# Altium PCB cyberlamp.PcbDoc (part 2 of 2) (continued)
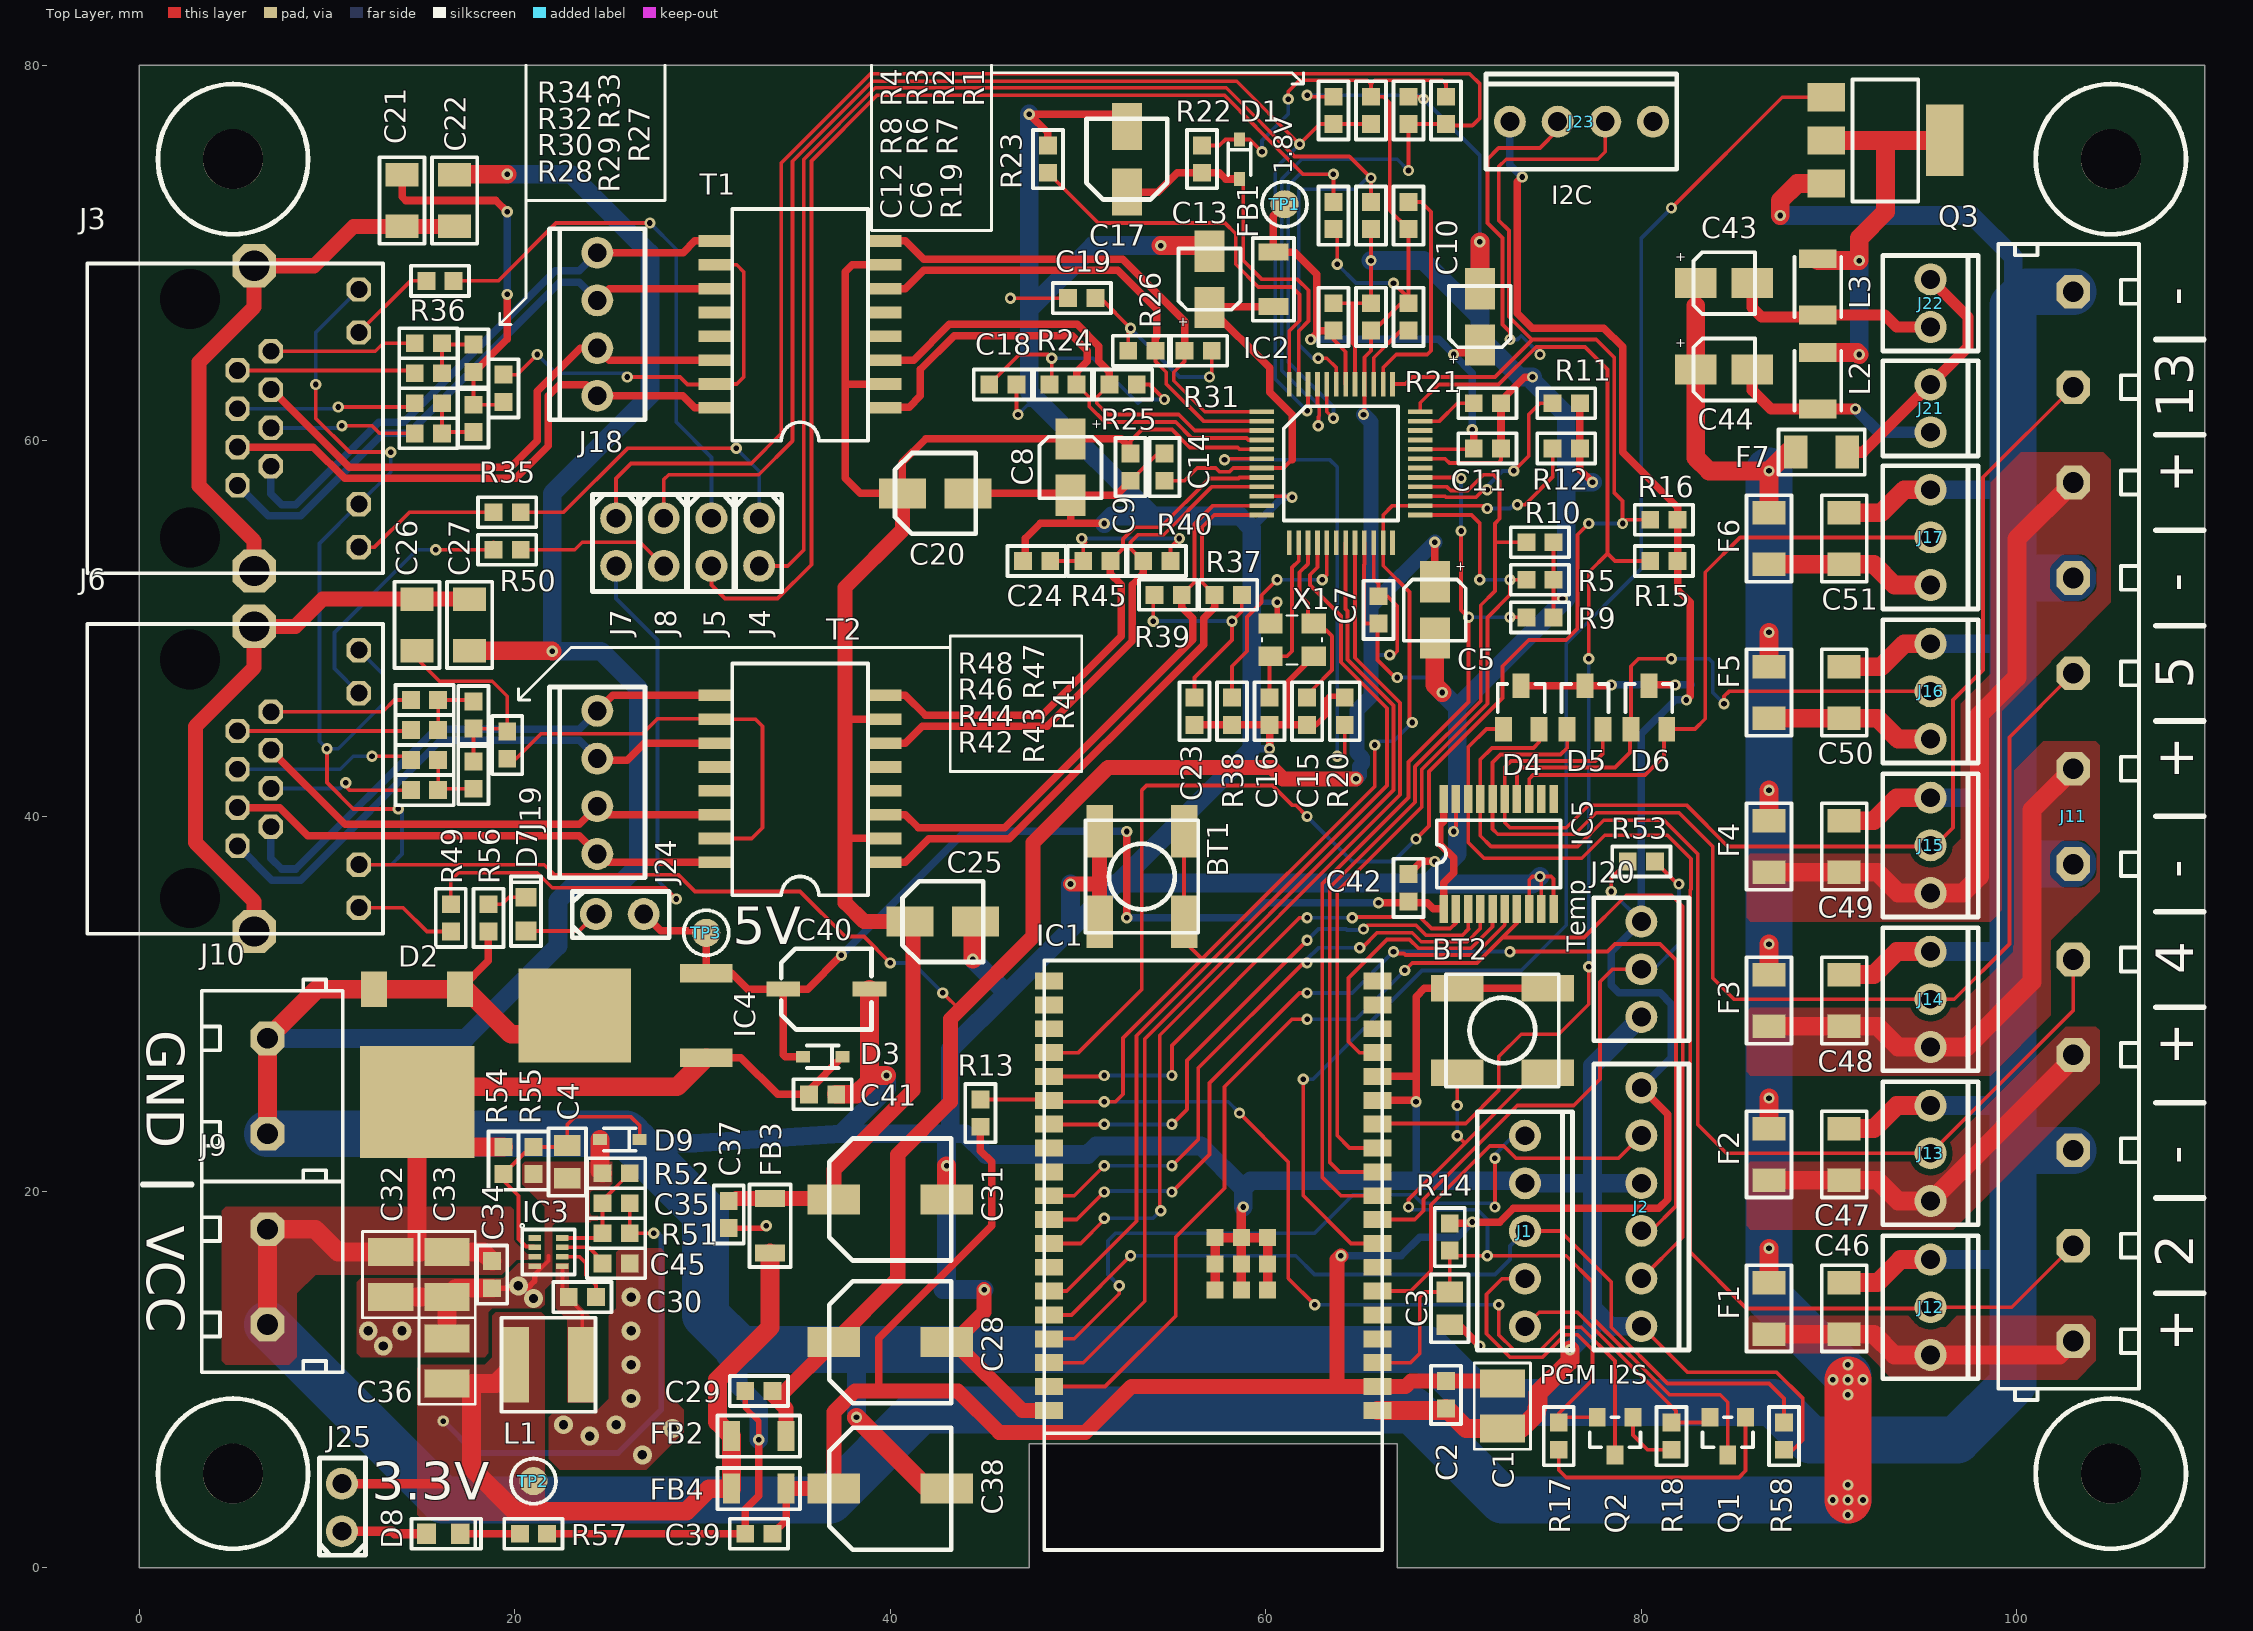
[diagram p0: Top Layer view]
## Nets (pads, with @x,y where several pads share a name; then routed paths per layer and width w, separated by ;. In a path a pad name is that pad's centre, name@x,y a point inside that pad or via, vN(x,y) a via of type N, cw(c..) or ccw(c..) an arc to the next point about the centre after c; other vN are vias at no path point) (continued)
NetIC1_24: IC1.24 IC5.2 | length 27.3
  Top Layer w0.2: IC1.24@48.45,26.15 51.35,26.15 v1(51.4,26.2) ; v1(55,26.2) 55,27.8 61.8,34.6 v1(62.2,34.6) ; v1(64.6,34.6) 64.65,34.65 68.2,34.65 68.825,34.025 69.824,34.025 70.125,34.326 IC5.2@70.125,35.075
  Bottom Layer w0.2: v1(51.4,26.2) v1(55,26.2) ; v1(62.2,34.6) v1(64.6,34.6)
NetIC1_26: IC1.26 IC5.3 | length 29.7
  Top Layer w0.2: IC1.26@48.45,23.61 48.46,23.6 v1(51.4,23.6) ; v1(55,23.6) 55.8,24.4 55.8,27 v1(62.2,33.4) ; v1(65.2,34) 65.4,34.2 68,34.2 68.525,33.675 70.475,33.675 70.8,34 70.775,34.025 IC5.3@70.775,35.075
  Bottom Layer w0.2: v1(51.4,23.6) v1(55,23.6) ; v1(62.2,33.4) 62.8,34 64.281,34 64.331,33.95 65.15,33.95 v1(65.2,34)
NetIC1_29: IC1.29 IC5.4 | length 32.7
  Top Layer w0.2: IC1.29@48.45,19.8 49.8,19.8 v1(51.4,21.4) ; v1(55,21.4) 56.4,22.8 56.4,26.6 62,32.2 v1(62.2,32.2) ; v1(65,33) 65.119,33 65.919,33.8 67.8,33.8 68.275,33.325 70.725,33.325 71.425,34.025 IC5.4@71.425,35.075 IC5.4@71.4,35.05
  Bottom Layer w0.2: v1(51.4,21.4) v1(55,21.4) ; v1(62.2,32.2) 62.2,32.4 62.8,33 v1(65,33)
NetIC1_30: IC1.30 IC5.6 J2.4 | length 65.1
  Top Layer w0.2: IC1.30@48.45,18.53 49.93,18.53 v1(51.4,20) ; v1(55,20) 57,22 57,25.8 61.8,30.6 v1(62.2,30.6) ; v1(66.8,32.8) 66.9,32.7 67.353,32.7 67.428,32.625 71.125,32.625 72.725,34.225 IC5.6@72.725,35.075 ; v1(73,32.8) 78.2,32.8 78.6,33.2 81,33.2 81.85,32.35 81.85,19.25 80.53,17.93 J2.4@80,17.93
  Bottom Layer w0.2: v1(51.4,20) 51.45,20.05 54.95,20.05 v1(55,20) ; v1(62.2,30.6) 64.6,30.6 v1(66.8,32.8) v1(73,32.8)
NetIC1_31: IC1.31 IC2.20 | length 48.6
  Top Layer w0.2: IC1.31@48.45,17.26 50.14,17.26 51.4,18.52 v1(51.4,18.6) ; v1(54.4,19) 54.35,19.05 54.35,28.35 67.15,41.15 67.15,46.05 64.75,48.45 IC2.20@64.75,54.575
  Bottom Layer w0.2: v1(51.4,18.6) 54,18.6 v1(54.4,19)
NetIC1_33: IC1.33 IC2.16 | length 49.7
  Top Layer w0.2: IC1.33@48.45,14.72 49.4,14.72 53.12,18.44 53.12,28.32 66.45,41.65 66.45,45.76 64,48.21 64,50.681 62.35,52.331 62.35,52.869 62.75,53.269 IC2.16@62.75,54.575
NetIC1_34: IC1.34 J1.3 R58.2 | length 48.6
  Top Layer w0.2: IC1.34@48.45,13.45 49.65,13.45 v1(52.8,16.6) ; J1.3@73.8,17.92 75.68,17.92 78.4,15.2 78.4,12.8 81.4,9.8 86.8,9.8 87.6,9 R58.2@87.6,7.725
  Bottom Layer w0.2: v1(52.8,16.6) 61.6,16.6 62.6,15.6 72.2,15.6 73,16.4 73,17.12 J1.3@73.8,17.92
NetIC1_35: IC1.35 J1.1 | length 34.6
  Top Layer w0.2: IC1.35@48.45,12.18 49.8,12.18 52.2,14.58 v1(52.2,15) ; v1(72.2,19.2) v1(72.2,21.8)
  Bottom Layer w0.2: v1(52.2,15) 51.6,15.6 51.6,17.4 52,17.8 62.6,17.8 64.65,19.85 67.869,19.85 68.319,19.4 72.2,19.4 v1(72.2,19.2) ; v1(72.2,21.8) 72.2,22 73.2,23 J1.1@73.8,23
NetIC1_36: IC1.36 IC2.19 | length 53.4
  Top Layer w0.2: IC1.36@48.45,10.91 50.28,10.91 53.55,14.18 53.55,28.15 66.8,41.4 66.8,45.905 64.35,48.355 64.35,50.945 64.25,51.045 IC2.19@64.25,54.575
NetIC1_37: IC1.37 IC5.7 J2.5 | length 73.1
  Top Layer w0.2: IC1.37@48.45,9.64 51.44,9.64 55.2,13.4 55.2,17.6 57.8,20.2 57.8,25.6 61.4,29.2 v1(62.2,29.2) ; v1(67.4,31.8) 67.8,32.2 71.25,32.2 72.6,33.55 ; IC5.7@73.4,35.05 IC5.7@73.375,35.075 73.375,34.325 72.6,33.55 ; J2.5@80,15.39 82.2,17.59 82.2,35.2 81.6,35.8 79.2,35.8 76.95,33.55 72.6,33.55
  Bottom Layer w0.2: v1(62.2,29.2) 64.8,29.2 v1(67.4,31.8)
NetIC2_6: IC2.6 R20.2 | length 25.6
  Top Layer w0.2: v1(57.8,59) 57.85,59.05 IC2.6@59.775,59.05 ; v1(63.8,43.2) 64.2,43.2 R20.2@64.2,44.875
  Bottom Layer w0.2: v1(57.8,59) 63.4,59 63.8,58.6 v1(63.8,43.2)
NetIC2_35: IC2.35 R21.2 | length 3.2
  Top Layer w0.2: IC2.35@68.225,61.05 69.25,61.05 70.2,62 R21.2@71.075,62
NetIC2_39: IC2.39 R19.2 | length 3.5
  Top Layer w0.2: IC2.39@65.75,63.025 65.75,64.425 R19.2@67.2,65.875
NetIC2_48: IC2.48 R23.1 | length 22
  Top Layer w0.2: R23.1@48.4,74.275 51.075,71.6 57.824,71.6 58.4,71.024 58.4,69.4 59.6,68.2 61.4,68.2 61.8,67.8 61.8,66.4 61.25,65.85 IC2.48@61.25,63.025
NetJ3_4: J3.4 R28.2 | length 7.9
  Top Layer w0.2: v1(10.8,60.8) 12.4,60.8 12.8,60.4 R28.2@14.675,60.4
  Bottom Layer w0.2: J3.4@7.02,60.69 10.69,60.69 v1(10.8,60.8)
NetJ3_5: J3.5 R30.2 | length 9.6
  Top Layer w0.2: v1(10.6,61.8) 14.475,61.8 R30.2@14.675,62
  Bottom Layer w0.2: J3.5@5.24,61.71 10.51,61.71 v1(10.6,61.8)
NetJ3_7: J3.7 R32.2 | length 9.5
  Top Layer w0.2: J3.7@5.24,63.75 14.525,63.75 R32.2@14.675,63.6
NetJ3_8: J3.8 R34.2 | length 7.8
  Top Layer w0.2: J3.8@7.02,64.77 12.57,64.77 13,65.2 R34.2@14.675,65.2
NetJ3_9: J3.9 R35.2 | length 7.9
  Top Layer w0.2: J3.9@11.7,54.34 12.54,54.34 14.4,56.2 R35.2@18.875,56.2
NetJ3_11: J3.11 R36.2 | length 4.7
  Top Layer w0.2: J3.11@11.7,65.77 14.45,68.52 R36.2@15.297,68.52
NetJ4_1: J4.1 R35.1 | length 17.1
  Top Layer w0.2: R35.1@20.325,56.2 22.6,56.2 26,59.6 v1(31.8,59.6)
  Bottom Layer w0.2: v1(31.8,59.6) 33.02,58.38 J4.1@33.02,55.88
NetJ5_1: J5.1 R36.1 | length 28.8
  Top Layer w0.2: R36.1@16.747,68.52 19.12,68.52 22.2,71.6 v1(27.2,71.6)
  Bottom Layer w0.2: v1(27.2,71.6) 28.6,70.2 28.6,61 30.48,59.12 J5.1@30.48,55.88
NetJ6_4: J6.4 R42.2 | length 7.9
  Top Layer w0.2: v1(11,41.8) 11,41.6 11.2,41.4 R42.2@14.475,41.4
  Bottom Layer w0.2: J6.4@7.02,41.49 10.69,41.49 v1(11,41.8)
NetJ6_5: J6.5 R44.2 | length 9.6
  Top Layer w0.2: v1(12.4,43.2) 14.275,43.2 R44.2@14.475,43
  Bottom Layer w0.2: J6.5@5.24,42.51 10.71,42.51 11.4,43.2 v1(12.4,43.2)
NetJ6_7: J6.7 R46.2 | length 9.3
  Top Layer w0.2: J6.7@5.24,44.55 14.425,44.55 R46.2@14.475,44.6
NetJ6_8: J6.8 R48.2 | length 7.7
  Top Layer w0.2: J6.8@7.02,45.57 12.97,45.57 13.6,46.2 R48.2@14.475,46.2
NetJ6_9: J6.9 R49.2 | length 5.4
  Top Layer w0.2: J6.9@11.7,35.14 14.06,35.14 15.325,33.875 R49.2@16.6,33.875
NetJ6_11: J6.11 R50.2 | length 14.2
  Top Layer w0.2: v1(15.8,54.2) 18.475,54.2 R50.2@18.875,54.6
  Bottom Layer w0.2: J6.11@11.7,46.57 10.4,47.87 10.4,49.8 14.8,54.2 v1(15.8,54.2)
NetJ7_2: J7.2 R49.1 | length 33.1
  Top Layer w0.2: R49.1@16.6,35.325 16.6,36.6 17,37 21.2,37 22,36.2 28,36.2 v1(28.6,35.6)
  Bottom Layer w0.2: J7.2@25.4,53.34 25.4,51.6 27.6,49.4 27.6,36.6 v1(28.6,35.6)
NetJ8_2: J8.2 R50.1 | length 8.3
  Top Layer w0.2: R50.1@20.325,54.2 23.2,54.2 23.6,54.6 26.68,54.6 J8.2@27.94,53.34
NetL2_1: L2.1 L3.1 Q3.2 | length 22.7
  Top Layer w1: L2.1@89.4,64.702 91.498,64.702 v1(91.6,64.6) ; L3.1@89.4,69.6 v1(91.6,69.6) 91.6,70.8 93,72.2 93,76 ; Q3.2@89.85,76 93,76 ; Q3.2@96.15,76 93,76
  Bottom Layer w1: v1(91.6,64.6) v1(91.6,69.6)
NetQ1_1: Q1.1 R17.1 | length 14.2
  Top Layer w0.2: R17.1@75.6,6.275 75.6,5.2 76,4.8 85.2,4.8 85.55,5.15 Q1.1@85.55,8
NetQ2_1: Q2.1 R18.1 | length 3.3
  Top Layer w0.2: Q2.1@79.55,8 79.55,7.05 80.325,6.275 R18.1@81.6,6.275
NetR27_1: R27.1 T1.10 T1.15 | length 21.7
  Top Layer w0.2: R27.1@19.4,63.525 20.125,63.525 v1(21.2,64.6) ; v1(26,63.4) 28.8,63.4 29.2,63 30.665,63 T1.15@30.69,63.025 31.825,63.025 32.2,63.4 32.2,69 31.825,69.375 T1.10@30.69,69.375
  Bottom Layer w0.2: v1(21.2,64.6) 22.2,63.6 26,63.6 26.2,63.4 v1(26,63.4)
NetR28_1: R28.1 R29.2 R30.1 | length 3.3
  Top Layer w0.2: R30.1@16.125,62 R28.1@16.125,60.4 16.2,60.475 R29.2@17.8,60.475
NetR32_1: R32.1 R33.2 R34.1 | length 3.3
  Top Layer w0.2: R32.1@16.125,63.6 R34.1@16.125,65.2 16.2,65.125 R33.2@17.8,65.125
NetR41_1: R41.1 T2.10 T2.15 | length 22.8
  Top Layer w0.2: R41.1@19.6,43.075 20.075,43.075 21.4,44.4 26.8,44.4 27.6,45.2 30.665,45.2 T2.10@30.69,45.175 32.825,45.175 33.2,44.8 33.2,39.4 32.625,38.825 T2.15@30.69,38.825
NetR42_1: R42.1 R43.2 R44.1 | length 3.5
  Top Layer w0.2: R44.1@15.925,43 R42.1@15.925,41.4 16,41.475 R43.2@17.8,41.475
NetR46_1: R46.1 R47.2 R48.1 | length 3.5
  Top Layer w0.2: R46.1@15.925,44.6 R48.1@15.925,46.2 17.725,46.2 R47.2@17.8,46.125
P1LED0: IC2.44 J5.2 R8.2 | length 79.4
  Top Layer w0.2: J5.2@30.48,53.34 30.48,52.32 31.2,51.6 34,51.6 35.8,53.4 35.8,74.905 39.295,78.4 57.8,78.4 59.456,76.744 59.456,76.73 61.986,74.2 v1(63.6,74.2) R8.2@63.6,72.725 ; IC2.44@63.25,63.025 63.25,61.55 v1(63.6,61.2)
  Bottom Layer w0.2: v1(63.6,61.2) 63.6,61.8 61.2,64.2 61.2,73.6 61.8,74.2 v1(63.6,74.2)
P1LED1: IC2.43 J4.2 R6.2 | length 74.3
  Top Layer w0.2: J4.2@33.02,53.34 34.54,53.34 35.4,54.2 35.4,75 39.2,78.8 57.895,78.8 59.806,76.889 59.806,76.875 61.531,75.15 64.45,75.15 v1(65.6,74) R6.2@65.6,72.725 ; v1(62.8,64.4) 63.25,64.4 63.75,63.9 IC2.43@63.75,63.025
  Bottom Layer w0.2: v1(62.8,64.4) 62.481,64.4 61.75,65.131 61.75,73.35 61.8,73.4 64.8,73.4 65.4,74 v1(65.6,74)
P2LED0: IC2.46 J8.1 R3.1 R4.2 | length 76
  Top Layer w0.2: J8.1@27.94,55.88 27.94,57.94 28.2,58.2 33,58.2 34.8,60 34.8,74.895 39.055,79.15 58.45,79.15 v1(61.8,75.8) 62.875,76.875 R3.1@65.6,76.875 ; v1(62.2,61.6) 62.25,61.65 IC2.46@62.25,63.025
  Bottom Layer w0.2: v1(61.8,75.8) 60.5,74.5 60.5,63.3 v1(62.2,61.6)
P2LED1: IC2.45 J7.1 R1.1 R2.2 | length 97.8
  Top Layer w0.2: J7.1@25.4,55.88 25.4,58 26.2,58.8 32.6,58.8 34.2,60.4 34.2,74.8 38.95,79.55 70.85,79.55 71.4,79 71.4,77.2 71,76.8 69.675,76.8 R1.1@69.6,76.875 R2.2@67.6,76.875 v1(67.6,74.4) ; IC2.45@62.75,63.025 62.75,61.969 62.85,61.869 62.85,61.331 62.8,61.281 v1(62.8,60.8)
  Bottom Layer w0.2: v1(62.8,60.8) 62.85,60.85 62.85,61.869 62.319,62.4 62.2,62.4 60.85,63.75 60.85,73.938 61.912,75 67,75 v1(67.6,74.4)
RTS: J1.5 Q1.2 R18.2 | length 13.3
  Top Layer w0.2: J1.5@73.8,12.84 74.56,13.6 76.6,13.6 81.85,8.35 R18.2@81.85,7.8 ; R18.2@81.6,7.725 83.375,7.725 Q1.2@83.65,8
RX1_N: IC2.1 R31.2 T1.8 | length 26.5
  Top Layer w0.2: R31.2@55.675,64.8 55.675,64.225 55.1,63.65 55.1,63.2 56.75,61.55 IC2.1@59.775,61.55
  Top Layer w0.4: T1.8@39.71,70.645 40.81,70.645 41.78,69.675 52.374,69.675 55.675,66.374 R31.2@55.675,64.8
RX1_P: IC2.2 R26.2 T1.6 | length 25.9
  Top Layer w0.2: R26.2@54.125,64.8 54.125,64.225 54.7,63.65 54.7,63.034 56.684,61.05 IC2.2@59.775,61.05
  Top Layer w0.4: T1.6@39.71,68.105 40.81,68.105 41.78,69.075 52.125,69.075 54.2,67 54.2,65.55 54.125,65.475 R26.2@54.125,64.8
RX2_N: IC2.8 R45.2 T2.8 | length 29.2
  Top Layer w0.2: R45.2@51.725,53.6 52.4,54.275 52.4,54.766 53.034,55.4 54.4,55.4 57,58 58.55,58 58.6,58.05 IC2.8@59.775,58.05
  Top Layer w0.4: T2.8@39.71,46.445 40.81,46.445 41.855,45.4 48.1,45.4 52.3,49.6 52.3,52.35 51.725,52.925 R45.2@51.725,53.6
RX2_P: IC2.9 R40.2 T2.6 | length 29.4
  Top Layer w0.2: R40.2@53.475,53.6 52.8,54.275 52.8,54.6 53.2,55 54.566,55 57.116,57.55 IC2.9@59.775,57.55
  Top Layer w0.4: T2.6@39.71,43.905 40.81,43.905 41.705,44.8 48.349,44.8 52.9,49.351 52.9,52.35 53.475,52.925 R40.2@53.475,53.6
SCL: IC1.13 IC2.36 J23.2 R15.1 | length 81.2
  Top Layer w0.2: IC1.13@65.95,23.61 65.99,23.65 70.65,23.65 72.4,25.4 72.4,27.2 73.6,28.4 75.6,28.4 77.2,30 v1(77.2,32) ; IC2.36@68.225,61.55 68.225,62.025 69.2,63 72.4,63 74.4,65 74.6,65 ; v1(73,65.4) 73,65.8 72.6,66.2 72.6,70.8 71.8,71.6 71.8,75 72.4,75.6 74.6,75.6 75.54,76.54 J23.2@75.54,77 ; v1(74.6,64.6) 74.6,65 ; v1(77.2,48.4) 77.2,53 78.2,54 ; R15.1@80.475,53.6 78.6,53.6 78.2,54 ; 74.6,65 77,65 78.2,63.8 78.2,54
  Bottom Layer w0.2: v1(73,65.4) 73.4,65.4 73.6,65.6 v1(74.6,64.6) ; v1(77.2,32) v1(77.2,48.4)
SDA: IC1.23 IC2.37 J23.3 R16.1 | length 98.8
  Top Layer w0.2: IC1.23@48.45,27.42 50.02,27.42 53.4,30.8 53.4,41.4 53.65,41.65 60.35,41.65 61.4,40.6 61.6,40.6 v1(62.2,40) ; IC2.37@66.75,63.025 67.425,63.025 67.8,63.4 72.2,63.4 74.2,65.4 ; v1(68,38.8) 68.695,39.495 68.695,42.4 72.6,46.305 72.6,48 74,49.4 76,49.4 76.6,50 76.6,55 v1(77.2,55.6) ; J23.3@78.08,77 78.08,75.4 77.68,75 72.8,75 72.4,74.6 72.4,71.75 72.95,71.2 72.95,66.614 74.164,65.4 74.2,65.4 ; R16.1@80.475,55.8 79.2,55.8 v1(79,55.6) 79,56.8 78.55,57.25 78.55,64.45 77.6,65.4 74.2,65.4
  Bottom Layer w0.2: v1(62.2,40) 64.6,37.6 66.8,37.6 v1(68,38.8) ; v1(77.2,55.6) v1(79,55.6)
SMRXD30: IC1.10 IC2.29 R9.2 | length 49.2
  Top Layer w0.2: IC1.10@65.95,19.8 64,19.8 63,20.8 63,36.4 67.6,41 67.6,42.895 70.8,46.095 v1(70.8,50.6) 70.4,51 v1(70.4,55.2) ; IC2.29@68.225,58.05 70.35,58.05 v1(70.4,58) ; v1(73,50.6) R9.2@73.875,50.6
  Bottom Layer w0.2: v1(70.4,55.2) v1(70.4,58) ; v1(70.8,50.6) v1(73,50.6)
SMRXD31: IC1.11 IC2.28 R10.2 | length 49.3
  Top Layer w0.2: IC1.11@65.95,21.07 63.93,21.07 63.4,21.6 63.4,36.2 67.95,40.75 67.95,42.651 71.45,46.151 71.45,51.25 72.2,52 72.2,54.6 ; IC2.28@68.225,57.55 69.65,57.55 69.85,57.35 70.75,57.35 71.131,57.731 71.6,58.2 72.119,58.2 72.45,57.869 72.45,55.85 72.2,55.6 72.2,54.6 ; R10.2@73.875,54.6 72.2,54.6
SMRXD32: IC2.27 R11.2 | length 10.8
  Top Layer w0.2: IC2.27@68.225,57.05 69.55,57.05 69.6,57 71.2,57 v1@71.8,57.6 ; v1(71.8,57.4) v1@71.8,57.6 ; v1(73.2,58.4) 74,59.2 74,61.4 74.6,62 R11.2@75.275,62
  Bottom Layer w0.2: v1(71.8,57.4) 71.8,57.6 72.6,58.4 v1(73.2,58.4)
SMRXD33: BT1.1 BT1.2 IC1.25 IC2.23 IC2.26 Q2.3 R12.2 R13.1 | length 108.6
  Top Layer w0.2: R13.1@44.8,24.925 48.405,24.925 IC1.25@48.45,24.88 48.53,24.8 v1(51.4,24.8) 52,24.8 52.4,25.2 52.4,28.2 56.6,32.4 ; BT1.2@55.65,39.208 BT1.1@55.65,34.393 55.65,33.35 56.6,32.4 ; v1(58.6,24.2) 61.2,21.6 61.2,15.4 v1(62.6,14) ; v1(65.8,43.8) 65.8,41.6 56.6,32.4 ; v1@67.65,45 67.65,51.95 66.25,53.35 IC2.23@66.25,54.575 66.25,56.05 66.75,56.55 IC2.26@68.225,56.55 71.65,56.55 v1(71.8,56.4) ; v1(72.4,14) 72.4,12.4 73.2,11.6 74.644,11.6 75.844,12.8 76.8,12.8 78.6,11 Q2.3@78.6,6 ; v1@73.4,56.8 v1(73.4,56.6) 73.8,56.6 75.275,58.075 R12.2@75.275,59.6
  Bottom Layer w0.2: v1(51.4,24.8) 58,24.8 v1(58.6,24.2) ; v1(62.6,14) v1(72.4,14) ; v1(65.8,43.8) 66,44 66.8,44 v1(67.8,45) ; v1(71.8,56.4) 73,56.4 73.3,56.7 v1(73.4,56.6)
SMRXDV3: IC1.12 IC2.25 R5.2 | length 44.7
  Top Layer w0.2: IC1.12@65.95,22.34 64.46,22.34 63.8,23 63.8,36 68.3,40.5 68.3,42.5 71.8,46 71.8,50.6 73,51.8 v1(73,52.6) R5.2@73.875,52.6 ; IC2.25@68.225,56.05 70.95,56.05 71.4,55.6 v1(71.4,52.6) v1@71.45,52.55
  Bottom Layer w0.2: v1(71.4,52.6) v1(73,52.6)
SMTXD33: IC2.17 R38.1 | length 11.7
  Top Layer w0.2: R38.1@58.2,46.325 58.2,48 59,48.8 59,50.624 59.776,51.4 59.776,51.776 v1(60.6,52.6) ; v1(63,52.6) 63.25,52.85 IC2.17@63.25,54.575
  Bottom Layer w0.2: v1(60.6,52.6) v1(63,52.6)
SPIQ: IC2.38 R7.2 | length 12.6
  Top Layer w0.2: IC2.38@66.25,63.025 66.25,63.9 66.95,64.6 68.6,64.6 68.8,64.8 68.8,72.2 68.275,72.725 R7.2@67.6,72.725
T_RX1_N: J3.2 J18.4 T1.9 | length 31.2
  Top Layer w0.4: J18.4@24.4,70.02 28.965,70.02 29.59,70.645 T1.9@30.69,70.645
  Bottom Layer w0.4: J3.2@7.02,58.65 7.02,57.18 7.6,56.6 8.351,56.6 12.751,61 14.101,61 22.151,69.05 23.43,69.05 J18.4@24.4,70.02
T_RX1_P: J3.1 J18.3 T1.11 | length 31.9
  Top Layer w0.4: J18.3@24.4,67.48 25.025,68.105 T1.11@30.69,68.105
  Bottom Layer w0.4: J3.1@5.24,57.63 6.87,56 8.6,56 13,60.4 14.35,60.4 22.4,68.45 23.43,68.45 J18.3@24.4,67.48
T_RX2_N: J6.2 J19.4 T2.9 | length 29.4
  Top Layer w0.4: J19.4@24.4,45.62 25.225,46.445 T2.9@30.69,46.445
  Bottom Layer w0.4: J6.2@7.02,39.45 7.02,37.78 7.6,37.2 8.351,37.2 15.801,44.65 23.43,44.65 J19.4@24.4,45.62
T_RX2_P: J6.1 J19.3 T2.11 | length 30.1
  Top Layer w0.4: J19.3@24.4,43.08 24.48,43 26,43 26.905,43.905 T2.11@30.69,43.905
  Bottom Layer w0.4: J6.1@5.24,38.43 7.07,36.6 8.6,36.6 16.05,44.05 23.43,44.05 J19.3@24.4,43.08
T_TX1_N: J3.6 J18.2 T1.14 | length 29.8
  Top Layer w0.4: J3.6@7.02,62.73 7.07,62.73 11.2,58.6 19.8,58.6 21.2,60 21.2,62.649 23.491,64.94 J18.2@24.4,64.94 25.045,64.295 T1.14@30.69,64.295
T_TX1_P: J3.3 J18.1 T1.16 | length 30.3
  Top Layer w0.4: J3.3@5.24,59.67 9.281,59.67 10.951,58 20.049,58 21.8,59.751 21.8,62.4 22.4,63 23.8,63 J18.1@24.4,62.4 28.945,62.4 29.59,61.755 T1.16@30.69,61.755
T_TX2_N: J6.6 J19.2 T2.14 | length 25.9
  Top Layer w0.4: J6.6@7.02,43.53 10.98,39.57 23.43,39.57 J19.2@24.4,40.54 24.845,40.095 T2.14@30.69,40.095
T_TX2_P: J6.3 J19.1 T2.16 | length 26.7
  Top Layer w0.4: J6.3@5.24,40.47 7.18,40.47 7.2,40.45 7.49,40.45 8.97,38.97 23.43,38.97 J19.1@24.4,38 24.845,37.555 T2.16@30.69,37.555
TX1_N: IC2.3 R25.2 T1.3 | length 25.6
  Top Layer w0.2: R25.2@51.675,63 51,62.325 51,62 51.6,61.4 55.366,61.4 56.216,60.55 59.025,60.55 IC2.3@59.775,60.55
  Top Layer w0.4: T1.3@39.71,64.295 41.246,64.295 43.151,66.2 49.949,66.2 51.1,65.049 51.1,64.25 51.675,63.675 R25.2@51.675,63
TX1_P: IC2.4 R24.2 T1.1 | length 26.6
  Top Layer w0.2: R24.2@49.925,63 50.6,62.325 50.6,61.834 51.434,61 55.2,61 56.05,60.15 58.971,60.15 59.071,60.05 IC2.4@59.775,60.05
  Top Layer w0.4: T1.1@40.065,61.8 41,61.8 41.6,62.4 41.6,63.8 43.4,65.6 49.7,65.6 50.5,64.8 50.5,64.25 49.925,63.675 R24.2@49.925,63
TX2_N: IC2.11 R39.2 T2.3 | length 31.5
  Top Layer w0.2: R39.2@55.525,51.8 56.2,52.475 56.2,55.566 57.184,56.55 IC2.11@59.775,56.55
  Top Layer w0.4: T2.3@39.71,40.095 40.81,40.095 41.505,39.4 46.1,39.4 56.1,49.4 56.1,50.55 55.525,51.125 R39.2@55.525,51.8
TX2_P: IC2.12 R37.2 T2.1 | length 32
  Top Layer w0.2: R37.2@57.275,51.8 56.6,52.475 56.6,55.4 57.25,56.05 IC2.12@59.775,56.05
  Top Layer w0.4: T2.1@39.71,37.555 40.81,37.555 42.055,38.8 46.349,38.8 56.7,49.151 56.7,50.55 57.275,51.125 R37.2@57.275,51.8
VCC: C32.1 C33.1 C34.1 C41.2 C43.+ C44.+ D2.1 D3.1 F1.2 F2.2 F3.2 F4.2 F5.2 F6.2 F7.2 IC3.3 IC4.1 J9.1 J9.2 R54.2 | length 228.8
  Top Layer w0.4: IC4.1@30.2,27.15 32.05,27.15 34,25.2 C41.2@35.675,25.2 35.675,25.42 D3.1@37.455,27.2
  Top Layer w1: J9.2@6.84,12.94 J9.1@6.84,18.02 9.38,18.02 10.6,16.8 15,16.8 14.8,17 D2.1@14.8,24.8 ; C33.1@16.4,16.8 18.325,16.8 C34.1@18.8,16.325 ; R54.2@19.4,22.4 17.2,22.4 D2.1@14.8,24.8 ; IC4.1@30.2,27.15 28.65,25.6 15.6,25.6 D2.1@14.8,24.8 ; 82.9,67.2 82.9,59.1 83.6,58.4 v1(86.8,58.4) ; F1.2@86.8,15.175 v1(86.8,17) ; F2.2@86.8,23.375 v1(86.8,25) ; F3.2@86.8,31.575 v1(86.8,33.2) ; F4.2@86.8,39.775 v1(86.8,41.4) ; F5.2@86.8,47.975 v1(86.8,49.8) ; F6.2@86.8,56.175 v1(86.8,58.4) ; F7.2@88.225,59.4 87.8,59.4 v1(86.8,58.4)
  Top Layer w2.5: v1(91,3.6) v1(91,10)
  Bottom Layer w2.5: J9.2@6.84,12.94 16.18,3.6 36.8,3.6 41.6,8.4 67.8,8.4 72.6,3.6 v1(90.2,3.6) v1(91,3.6) ; v1(86.8,58.4) v1(86.8,49.8) v1(86.8,41.4) v1(86.8,33.2) v1(86.8,25) v1(86.8,17) 86.8,14.4 91,10.2 v1(91,10)
  other v1: 91,2.8 91.8,3.6 91,4.4 91,9.2 90.2,10 91.8,10 91,10.8
pads on no net: IC1.4 IC1.5 IC1.7 IC1.17 IC1.18 IC1.19 IC1.20 IC1.21 IC1.22 IC1.27 IC1.28 IC1.32 IC2.13 IC2.18 IC2.24 IC2.30 IC2.33 IC2.34 IC3.1 IC5.11 IC5.12 J3.0 J6.0 T1.4 T1.5 T1.12 T1.13 T2.4 T2.5 T2.12 T2.13

## Polygon pours and split planes (outlines as drawn)
VCC on Top Layer "NONET_L-01_P-001" (solid, pour order 4): 4.6,19.2 4.4,19 4.4,11 4.6,10.8 8,10.8 8.4,11.2 8.4,14.6 9.4,15.6 19.4,15.6 20.2,16.4 20.91,16.4 21.06,16.55 20.898,16.712 20.647,16.712 20.4,16.959 20.4,18.6 19.8,19.2
GND on Top Layer "NONET_L-01_P-001" (solid, pour order 24): 29,7.2 29,8.4 28,9.4 28,16.8 27.8,17 25.6,17 25.4,16.8 25.4,13.8 25,13.4 25,9 24.2,8.2 22,8.2 21.8,8 21.8,5.8 22.4,5.2 27,5.2
GND on Top Layer "NONET_L-01_P-001" (solid, pour order 22): 25.2,21.6 25.2,18.4 22.2,18.4 22,18.2 22,15.2 21.6,14.8 21.395,15.005 21.395,16.196 21.6,16.401 21.6,19.2 20.4,20.4 20.4,21.6
NetC35_1 on Top Layer "NONET_L-01_P-001" (solid, pour order 8): 21.6,2.829 21.25,2.479 15.121,2.479 14.8,2.8 14.8,10.6 15,10.8 18.4,10.8 18.8,11.2 18.8,13.4 19,13.6 21.4,13.6 21.6,13.4
GND on Top Layer "NONET_L-01_P-001" (solid, pour order 2): 11.8,11.2 11.6,11.4 11.6,15.2 11.8,15.4 19.4,15.4 20.2,16.2 21.4,16.2 21.6,16 21.6,14 21.4,13.8 18.8,13.8 18.6,13.6 18.6,11.4 18.4,11.2
NetC30_2 on Top Layer "NONET_L-01_P-001" (solid, pour order 0): 22.8,8.8 22.8,13.2 22.2,13.8 22.2,16.2 22.875,16.2 22.875,14.525 24.2,13.2 24.2,8.8
NetC46_1 on Top Layer "NONET_L-01_P-001" (solid, pour order 26): 85.8,13.4 94.2,13.4 94.8,12.8 96.2,12.8 96.8,13.4 104,13.4 104.2,13.2 104.2,11 103.2,10 93.4,10 92,11.4 85.8,11.4 85.6,11.6 85.6,13.2
NetC47_1 on Top Layer "NONET_L-01_P-001" (solid, pour order 28): 85.8,21.6 95.2,21.6 95.3,21.5 97.2,23.4 102.6,28.8 104.2,28.8 104.4,28.6 104.4,25.8 96.6,18 85.8,18 85.6,18.2 85.6,21.4
NetC48_1 on Top Layer "NONET_L-01_P-001" (solid, pour order 30): 85.8,29.8 96.8,29.8 99.8,32.8 99.8,42.4 101.4,44 104.2,44 104.4,43.8 104.4,36 101.8,33.4 101.8,29.4 98.6,26.2 85.8,26.2 85.6,26.4 85.6,29.6
NetC49_1 on Top Layer "NONET_L-01_P-001" (solid, pour order 32): 85.8,38 96.2,38 97,38.8 97,46 98.6,47.6 98.6,57.8 100.2,59.4 104.6,59.4 105,59 105,51.4 99.2,45.6 99.2,35 98.6,34.4 85.8,34.4 85.6,34.6 85.6,37.8
VCC on Bottom Layer "NONET_L-01_P-001" (solid, pour order 16): 7.4,19.2 10.8,15.8 10.8,11.4 10.2,10.8 3.4,10.8 3.2,11 3.2,19 3.4,19.2
GND on Bottom Layer "NONET_L-01_P-001" (solid, pour order 10): 71.2,11 68.8,13.4 37.8,13.4 35.4,11 33.2,11 27.35,5.15 17.85,5.15 14.6,8.4 11.3,11.7 11.3,16.1 5.2,22.2 5.2,30.6 5.6,31 31.8,31 37,36.2 37,78.2 38.2,79.4 83,79.4 83.6,78.8 83.6,13 81.6,11
GND on Bottom Layer "NONET_L-01_P-001" (solid, pour order 14): 5.8,31 3.4,31 3.2,30.8 3.2,20.4 3.6,20 8.4,20 9.2,20.8 9.2,21.8 10,22.6 14.2,22.6

## Silkscreen, mask and mechanical layers (free items; w line width, h text height)
Top Overlay:
  circle w0.254: c5,75 r4
  circle w0.254: c105,75 r4
  circle w0.254: c105,5 r4
  circle w0.254: c5,5 r4
  lines w0.15: 19.2,66.8 19.2,66.2 ; 20.2,46.8 20.2,46.2 ; 20.6,80 20.6,72.8 ; 28,80 28,72.8 26,72.8 20.6,72.8 ; 39,80 39,71.2 45.4,71.2 45.4,80 ; 43.2,49 23,49 21,47 20.2,46.2 ; 45.4,79.6 61.4,79.6 62,79 ; 61.4,79 62,79 ; 19.2,66.2 19.8,66.2 19.2,66.2 ; 19.2,66.2 20.6,67.6 20.6,72.8 ; 20.2,46.2 20.8,46.2 20.2,46.2 ; 62,79 62,79.6 62,79 ; 43.2,42.4 43.2,49.6 43.4,49.6 50.2,49.6 50.2,44 50.2,42.4 43.6,42.4 43.2,42.4
  lines w0.3: 0.2,20.4 2.8,20.4 ; 107.41,14.6 109.95,14.6 ; 107.41,19.68 109.95,19.68 ; 107.41,24.76 109.95,24.76 ; 107.41,29.84 109.95,29.84 ; 107.41,34.92 109.95,34.92 ; 107.41,40 109.95,40 ; 107.41,45.08 109.95,45.08 ; 107.41,50.16 109.95,50.16 ; 107.41,55.24 109.95,55.24 ; 107.41,60.32 109.95,60.32 ; 107.41,65.4 109.95,65.4
  text "1.8V" at 61.4,74.2 h1 r90
  text "I2C" at 75.2,72.6 h1
  text "-" at 109.4,67.2 h2 r90
  text "13" at 109.4,61.2 h2 r90
  text "+" at 109.4,57.2 h2 r90
  text "-" at 109.4,51.96 h2 r90
  text "5" at 109.4,46.8 h2 r90
  text "+" at 109.4,41.96 h2 r90
  text "-" at 109.4,36.72 h2 r90
  text "5V" at 31.6,33.2 h2
  text "Temp" at 77,32.8 h1 r90
  text "4" at 109.4,31.6 h2 r90
  text "GND" at 0.4,28.6 h2 r270
  text "+" at 109.4,26.72 h2 r90
  text "-" at 109.4,21.48 h2 r90
  text "VCC" at 0.4,18.2 h2 r270
  text "2" at 109.4,16 h2 r90
  text "+" at 109.4,11.48 h2 r90
  text "PGM" at 74.6,9.8 h1
  text "I2S" at 78.2,9.8 h1
  text "3.3V" at 12.4,3.6 h2
Bottom Overlay:
  text "WLED Ethernet Board v2" at 38.8,78.2 h2 r90
  text "Torben Hellige 2024" at 42.4,78.2 h2 r90
  text "tortronik.de" at 45.6,77.8 h2 r90
  text "23" at 91.8,53.2 h2 r270
  text "18" at 91.8,45.4 h2 r270
  text "13" at 92,37.2 h2 r270
  text "5" at 92,29.6 h2 r270
  text "4" at 92,21.4 h2 r270
  text "2" at 92.2,13.2 h2 r270
Mechanical 2:
  the board outline again, w0.15
Mechanical 3:
  lines w0.254: 122.696,1.325 123.2,-0.2 ; 122.888,78.277 123.4,79.8 ; 122.946,-0.199 123.454,-0.201 ; 123.146,79.801 123.654,79.799 ; 123.287,34.696 123.2,-0.2 ; 123.313,44.904 123.4,79.8 ; 123.712,1.323 123.2,-0.2 ; 123.904,78.275 123.4,79.8
  text "80 (mm)" at 124.202,34.948 h1.52 r89.86

## Dimensions
105.146,75 to 104.946,80 on Mechanical 3
110,0 to 0,0 on Mechanical 3
5,5 to 105,5 on Mechanical 3
0,-0.254 to 5,5 on Mechanical 3
110,0 to 105,5 on Mechanical 3
105.2,5 to 105.2,75 on Mechanical 3

## Text inside footprints (layer, text, board x,y; h text height)
C5: Top Overlay "+" at 70.6,53 h0.5 r90
C8: Top Overlay "+" at 51.2,60.6 h0.5 r90
C10: Top Overlay "+" at 69.8,64.6 h0.5 r270
C13: Top Overlay "+" at 55.4,66.6 h0.5 r270
C43: Top Overlay "+" at 82.4,70 h0.5 r180
C44: Top Overlay "+" at 82.4,65.4 h0.5 r180